# KiCad board ISA_PC104 Backplane.kicad_pcb (continued)
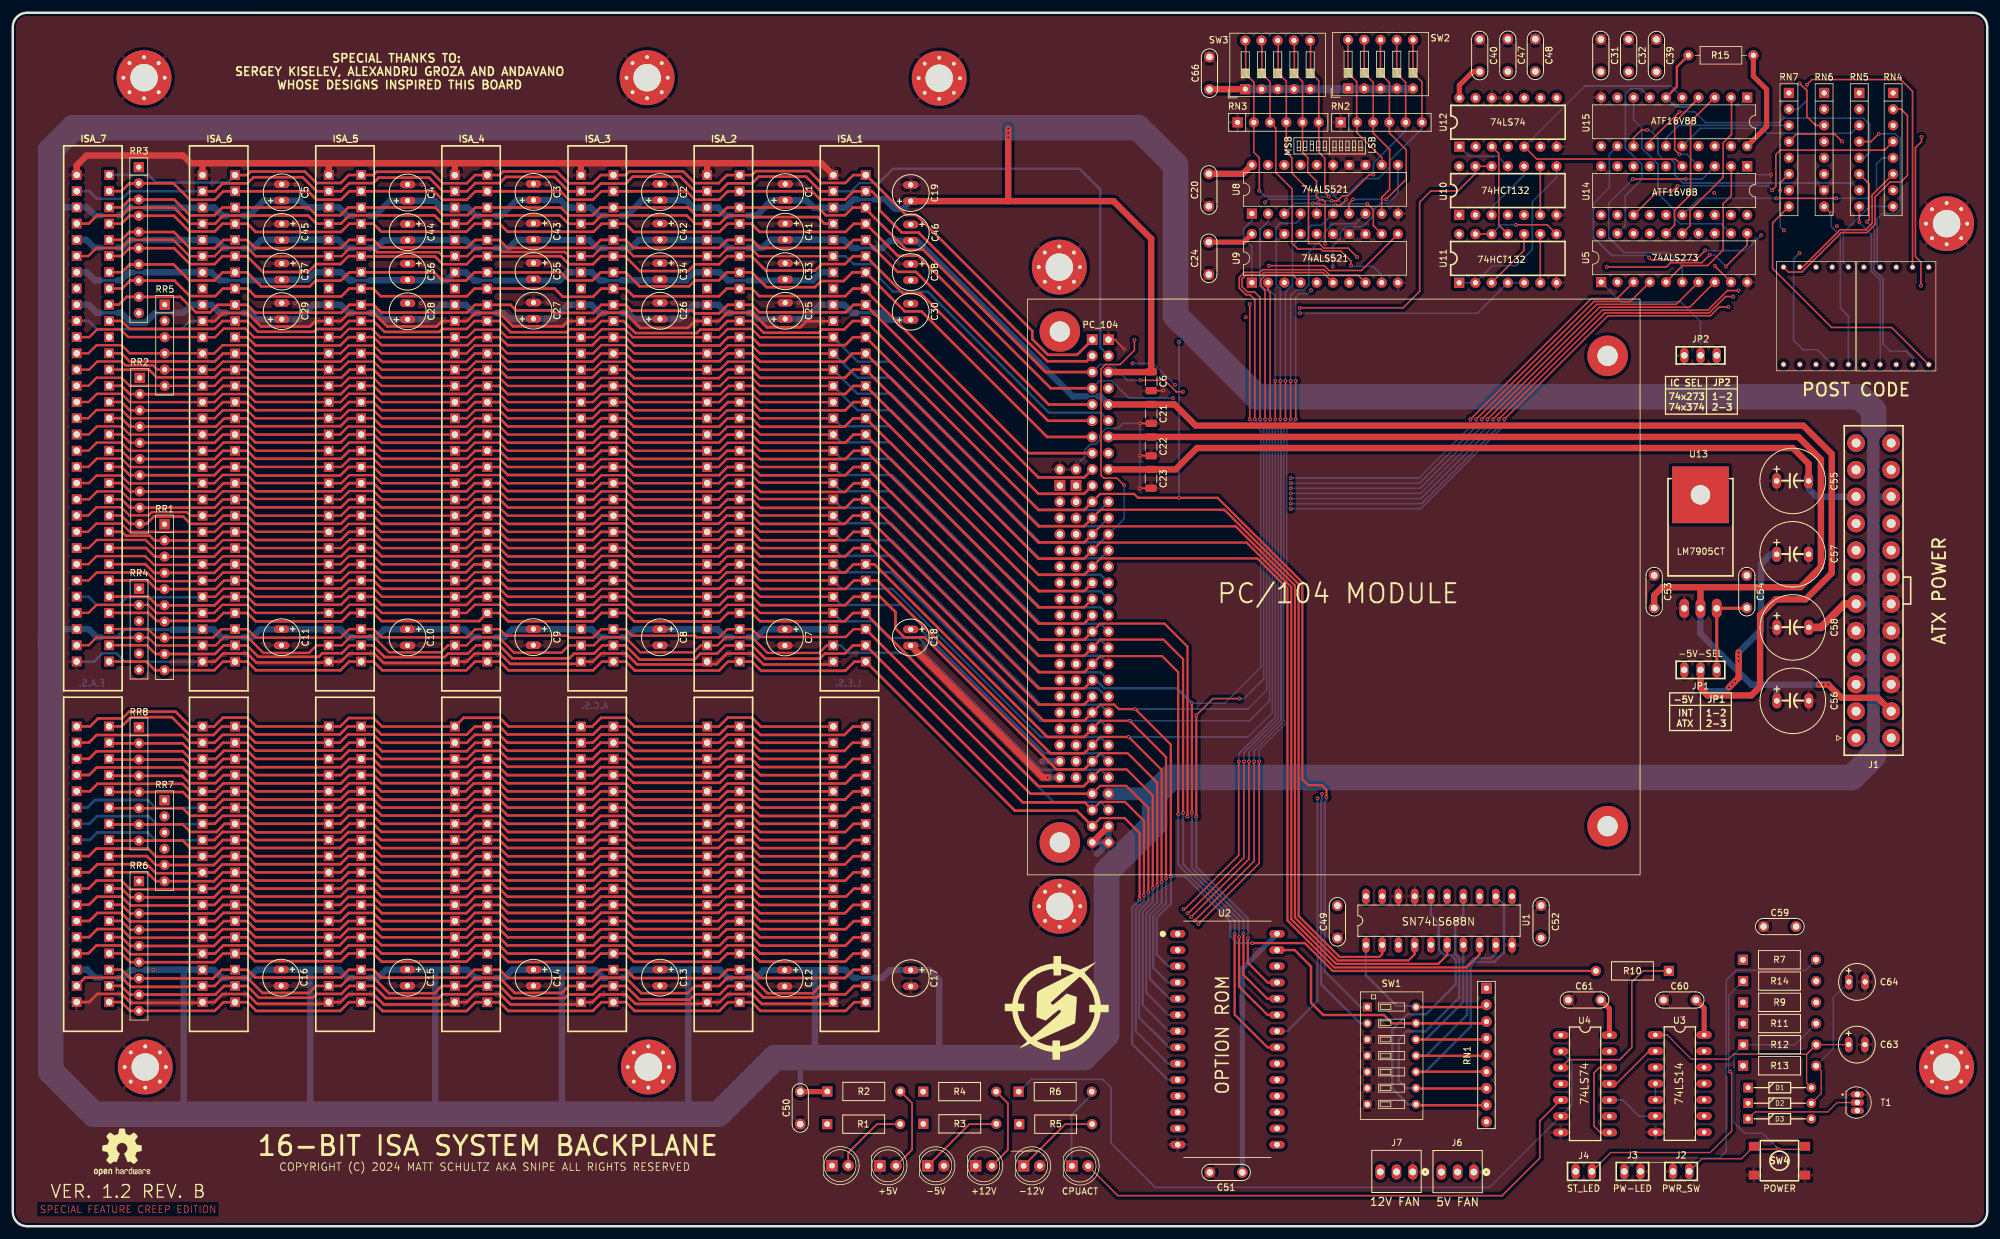
[diagram p0: board, top side]
## Routing (per net, layer and track width the routed paths; a pad name or vN(x,y) marks a point on that pad's centre or on a via; arc(x,y) is an arc through that point) (continued)
  In1.Cu w0.35: PC_104.A7 170.24,122.33 181.37,122.33 187.66,116.04 187.66,19.14 183.83,15.31 U2.13
  In2.Cu w0.25: PC_104.A7 170.13,122.44 191.75,122.44 193.92,120.26 199.74,120.26 201.1,118.9 201.1,116.56 200.11,115.57 v1(200.02,115.57)
  Bottom w0.25: v1(229.92,126.38) 229.92,125.23 220.25,115.57 v1(200.02,115.57)
/DB3: length 429.5
  Top w0.25: U5.8 262.45,143.93 248.35,143.93 v1(230.8,126.38)
  Top w0.42: ISA_5.37 52.55,151.93 51.31,150.69 47.47,150.69 46.22,149.44 39.14,149.44 36.66,151.92 ISA_6.37 32.82,151.92 31.57,150.67 27.75,150.67 25.25,153.17 18.23,153.17 17,151.94 ISA_7.37 ; PC_104.A6 162.02,126.15 142.04,146.13 139.29,146.13 ISA_1.37 131.5,151.92 130.26,150.68 126.6,150.68 125.58,149.66 117.87,149.66 115.61,151.92 ISA_2.37 111.82,151.92 110.55,150.65 106.77,150.65 105.71,149.59 98.16,149.59 95.83,151.92 ISA_3.37 92.07,151.92 90.81,150.66 87.04,150.66 85.78,151.92 ISA_4.37 72.31,151.92 71.04,150.65 67.31,150.65 66.09,151.87 54.59,151.87
  In1.Cu w0.35: PC_104.A6 170.23,124.88 179.64,124.88 188.24,116.28 188.24,19.15 194.61,12.77 U2.15
  In2.Cu w0.25: PC_104.A6 170.13,127.33 187.49,127.33 194.11,120.71 199.92,120.71 201.55,119.08 201.55,116.21 200.11,114.77 v1(200.02,114.77)
  Bottom w0.25: v1(230.8,126.38) 230.8,125.23 220.34,114.77 v1(200.02,114.77)
/DB4: length 420.2
  Top w0.42: PC_104.A5 162.13,128.69 141.36,149.46 138.5,149.46 ISA_1.36 131.58,154.46 130.33,153.21 116.95,153.21 115.7,154.46 ISA_2.36 111.82,154.46 110.58,153.22 97.17,153.22 95.93,154.46 ISA_3.36 92.02,154.46 90.77,153.21 77.4,153.21 76.15,154.46 ISA_4.36 72.34,154.46 71.16,153.28 57.65,153.28 56.46,154.47 ISA_5.36 52.65,154.47 51.37,153.19 37.96,153.19 36.69,154.46 ISA_6.36 32.95,154.46 31.66,153.17 27.75,153.17 25.21,155.71 18.26,155.71 17.03,154.48 ISA_7.36
  In1.Cu w0.25: U5.13 269.25,152.61 269.25,149.78 267.8,148.33 267.8,147.08 264.65,143.93 262.4,143.93 260.82,142.36 v1(192.97,142.36)
  In1.Cu w0.35: U2.16 194.67,15.31 188.81,21.17 188.81,116.52 177.9,127.43 170.22,127.43 PC_104.A5
  In2.Cu w0.25: v1(192.97,142.36) 188.52,142.36 176.23,130.06 170.32,130.06 PC_104.A5
/DB5: length 443.2
  Top w0.25: v1(231.69,126.38) 248.79,143.48 265.32,143.48 268.37,146.53 v1(270.1,146.53)
  Top w0.42: ISA_7.35 17.02,157.02 18.25,158.25 25.22,158.25 27.69,155.78 31.59,155.78 32.81,157 ISA_6.35 36.74,157 38.02,155.72 51.38,155.72 52.67,157.01 ISA_5.35 56.43,157.01 57.68,155.76 71.03,155.76 72.27,157 ISA_4.35 76.2,157 77.45,155.75 90.91,155.75 92.16,157 ISA_3.35 95.91,157 97.19,155.72 110.59,155.72 111.87,157 ISA_2.35 115.61,157 116.88,155.73 130.36,155.73 131.63,157 ISA_1.35 138.52,151.98 141.71,151.98 162.46,131.23 PC_104.A4
  In1.Cu w0.35: PC_104.A4 170.21,129.98 176.17,129.98 189.39,116.76 189.39,23.14 194.68,17.85 U2.17
  In2.Cu w0.25: v1(270.1,146.53) 270.1,146.83 270.11,146.84 270.11,149.88 264.5,155.48 ; v1(181.6,129.7) 185.76,129.7 194.3,121.16 200.11,121.16 202,119.27 202,115.86 200.11,113.97 v1(200.02,113.97)
  Bottom w0.25: v1(181.6,129.7) 174.7,129.7 171.99,132.41 170.13,132.41 PC_104.A4 ; v1(200.02,113.97) 220.42,113.97 231.69,125.23 v1(231.69,126.38)
/DB6: length 451.2
  Top w0.25: v1(232.57,126.38) 249.22,143.03 265.5,143.03 268.07,145.6 v1(269.28,145.6) ; v1(176.5,132.48) 180.3,132.48 182.1,130.68 v1(183.16,130.68)
  Top w0.42: PC_104.A3 161.65,133.77 142.49,152.93 139.89,152.93 133.5,159.32 ; ISA_7.34 17.05,159.56 18.28,160.79 25.26,160.79 27.74,158.31 31.58,158.31 32.81,159.54 ISA_6.34 46.31,159.54 47.52,158.33 51.28,158.33 52.5,159.55 ISA_5.34 66.1,159.55 67.29,158.36 71.23,158.36 72.41,159.54 ISA_4.34 85.78,159.54 87,158.32 90.75,158.32 91.97,159.54 ISA_3.34 105.7,159.54 106.91,158.33 110.62,158.33 111.83,159.54 ISA_2.34 126.05,159.54 127.26,158.33 130.26,158.33 131.47,159.54 ISA_1.34
  In1.Cu w0.35: U2.18 194.94,20.39 189.97,25.36 189.97,117 174.44,132.53 170.2,132.53 PC_104.A3
  In2.Cu w0.25: U5.17 256.22,153.36 259.66,149.92 266.01,149.92 267.6,148.33 267.6,147.28 v1(269.28,145.6) ; v1(183.16,130.68) 185.41,130.68 194.48,121.61 200.3,121.61 202.45,119.46 202.45,115.51 200.11,113.17 v1(200.02,113.17)
  Bottom w0.25: v1(232.57,126.38) 232.57,125.23 220.5,113.17 v1(200.02,113.17) ; PC_104.A3 170.13,134.95 171.99,134.95 174.45,132.48 v1(176.5,132.48)
/DB7: length 455.5
  Top w0.25: v1(233.46,126.39) 249.65,142.58 265.69,142.58 267.07,143.96 v1(268.52,143.96)
  Top w0.42: ISA_7.33 17.01,162.1 18.24,163.33 25.14,163.33 27.71,160.76 31.62,160.76 32.94,162.08 ISA_6.33 46.23,162.08 47.54,160.77 51.35,160.77 52.67,162.09 ISA_5.33 65.91,162.09 67.25,160.75 71.07,160.75 72.4,162.08 ISA_4.33 85.71,162.08 87.01,160.78 90.81,160.78 92.11,162.08 ISA_3.33 105.48,162.08 106.79,160.77 110.58,160.77 111.89,162.08 ISA_2.33 125.1,162.08 126.38,160.8 130.31,160.8 131.59,162.08 ISA_1.33 134.47,162.08 135.68,160.87 135.68,159.09 139.15,155.62 141.76,155.62 161.92,135.46 168.11,135.46 PC_104.A2
  In1.Cu w0.35: PC_104.A2 170.23,135.04 172.75,135.04 190.55,117.24 190.55,27.23 194.85,22.93 U2.19
  In2.Cu w0.25: v1(175.25,135.13) 170.14,135.13 PC_104.A2 ; v1(181.91,131.76) 184.97,131.76 194.67,122.06 200.48,122.06 202.9,119.64 202.9,115.16 200.11,112.37 v1(200.02,112.37) ; v1(268.52,143.96) 268.47,143.96 265.15,147.28 265.15,148.43 264.25,149.33 257.6,149.33 253.68,153.25 U5.18
  Bottom w0.25: v1(181.91,131.76) 178.53,135.13 v1(175.25,135.13) ; v1(233.46,126.39) 233.46,125.49 220.34,112.37 v1(200.02,112.37)
/Dig1_BCD_A: length 31.2
  Bottom w0.25: U5.12 267.42,156.98 260.98,156.98 260,157.97 260,159.23 257.5,161.73 257.5,166.31 255.78,168.03 255.75,168.03 254.95,168.84 254.95,172.03 253.68,173.3 253.68,176.61
/Dig1_BCD_B: length 24.4
  Top w0.25: U5.15 262.51,156.7 262.51,159.1 267.7,164.28 267.7,169.68 269.01,170.99 269.01,176.7
/Dig1_BCD_C: length 24.3
  Top w0.25: U5.16 260.1,156.82 260.1,159.08 262.6,161.58 262.6,173 266.3,176.7
/Dig1_BCD_D: length 29.2
  Bottom w0.25: U5.19 252.35,156.69 252.35,161.33 254.95,163.93 254.95,166.32 253.24,168.03 253.21,168.03 252.4,168.85 252.4,177.23 253.3,178.13 254.87,178.13 U15.7
/Dig1_Seg_A: length 30.3
  Top w0.25: v1(292.05,171.08) 290.83,169.86 RN5.4
  Bottom w0.25: LED8.7 291.79,150.67 291.79,157.75 292.62,158.58 294.77,158.58 295.43,159.24 295.43,170.33 294.67,171.08 v1(292.05,171.08)
/Dig1_Seg_A_Out: length 29.6
  Bottom w0.25: 261.39,169.25 264.1,171.95 273.83,171.95 274.6,171.18 287.78,171.18 RN5.3
/Dig1_Seg_B: length 30.4
  Top w0.25: v1(286.3,169.89) 285.16,171.03 279.17,171.03 RN7.4
  In1.Cu w0.25: LED8.6 289.72,155.05 287.02,157.75 287.02,169.17 v1(286.3,169.89)
/Dig1_Seg_B_Out: length 21.3
  Bottom w0.25: 258.76,169.17 258.76,170.39 260.77,172.4 RN7.3
/Dig1_Seg_C: length 35
  Top w0.25: v1(290.23,157.32) 290.57,157.66 290.57,163.21 RN5.6
  Bottom w0.25: LED8.4 297.34,136.02 296.31,137.05 293.82,137.05 292.73,138.15 292.73,148.37 291.34,149.76 291.34,156.21 v1(290.23,157.32)
/Dig1_Seg_C_Out: length 44.8
  Top w0.25: v1(260.86,174.52) 256.22,169.88 256.22,169.16
  Bottom w0.25: v1(260.86,174.52) 263.26,174.52 264.93,172.85 276.47,172.85 277.14,173.53 289.65,173.53 290.65,172.53 290.65,168.23 289.74,167.32 RN5.5
/Dig1_Seg_D: length 26.1
  Top w0.25: v1(289.02,157.23) 289,157.25 RN5.8
  Bottom w0.25: LED8.2 292.27,134.97 292.27,148.18 290.89,149.57 290.89,155.36 v1(289.02,157.23)
/Dig1_Seg_D_Out: length 43.6
  Top w0.25: v1(255.8,171.68) 254.9,171.68 253.68,170.46 253.68,169.16
  Bottom w0.25: v1(255.8,171.68) 256.2,171.68 257.5,170.38 257.5,167.93 258.3,167.13 259.5,167.13 260.1,166.53 260.1,164.67 261.39,163.38 287.86,163.38 RN5.7
/Dig1_Seg_DP: length 41.4
  Top w0.25: LED8.5 294.07,140.76 284.67,140.76 275.44,149.99 275.44,157.14 RN7.8
/Dig1_Seg_E: length 35.8
  Top w0.25: v1(276.62,162.23) 276.62,163.41 RN7.6
  In2.Cu w0.25: LED8.1 278.37,146.3 278.37,154.8 v1(277.22,155.96)
  Bottom w0.25: v1(277.22,155.96) 276.62,156.55 v1(276.62,162.23)
/Dig1_Seg_E_Out: length 64
  Top w0.25: v1(256.12,151.7) 256.46,151.36 263.43,151.36 v1(264.9,152.83)
  In1.Cu w0.25: RN7.5 279.46,167.32 280.16,166.62 280.16,157.86 277.51,155.2 v1(273.64,155.2)
  Bottom w0.25: v1(264.9,152.83) 264.95,152.78 271.22,152.78 v1(273.64,155.2) ; 251.14,169.16 249.9,167.92 249.9,162.68 247.4,160.18 247.4,154.88 250.25,152.03 255.78,152.03 v1(256.12,151.7)
/Dig1_Seg_F: length 32.5
  In1.Cu w0.2: LED8.10 299.88,152.72 297.55,155.05 297.55,171.91 295.74,173.72 290.22,173.72 RN5.2
/Dig1_Seg_F_Out: length 25.9
  In2.Cu w0.25: RN5.1 285.15,173.63 271.02,173.63 266.54,169.16
/Dig1_Seg_G: length 51
  Top w0.25: LED8.9 297.34,177.74 295.5,179.58 281.6,179.58 v1(280.8,178.78)
  Bottom w0.25: RN7.2 279.41,174.94 280.8,176.33 v1(280.8,178.78)
/Dig1_Seg_G_Out: length 17.4
  In2.Cu w0.25: 263.84,169.72 269.39,175.27 275.25,175.27 276.61,176.63 277.15,176.63 RN7.1
/Dig2_BCD_A: length 19.2
  In2.Cu w0.25: 253.73,166.01 252.45,164.72 252.45,149.17 U5.2
/Dig2_BCD_B: length 24.7
  Top w0.25: U5.5 261.36,150.46 265.27,150.46 267.7,152.88 267.7,160.13 268.97,161.41 268.97,166.01
/Dig2_BCD_C: length 40.3
  Top w0.25: v1(261.84,164.01) 253.57,164.01 v1(253.55,163.98)
  Bottom w0.25: v1(261.84,164.01) 264.43,164.01 266.43,166.01 ; U5.6 261.3,150.38 259.2,152.48 252.2,152.48 249.8,154.88 249.8,160.23 v1(253.55,163.98)
/Dig2_BCD_D: length 23.3
  Top w0.25: v1(266.41,150.41) 266.41,150.38 U5.9
  In2.Cu w0.25: 256.27,165.86 262.5,159.63 262.5,154.25 266.34,150.41 v1(266.41,150.41)
/Dig2_Seg_A: length 23.2
  Top w0.25: RN4.6 291.02,161.5 291.02,157.07 290.01,156.06 286,156.06 280.15,150.21 LED7.7
/Dig2_Seg_A_Out: length 39.1
  Top w0.25: v1(276,160.98) v1(285.4,160.98)
  Bottom w0.25: RN4.5 292.64,167.32 291.7,166.38 291.7,162.13 290.55,160.98 v1(285.4,160.98) ; 261.35,158.39 263.95,160.98 v1(276,160.98)
/Dig2_Seg_B: length 40.5
  Top w0.25: LED7.6 277.93,149.43 280.01,149.43 286.19,155.61 290.2,155.61 291.47,156.89 291.47,161.18 293.82,163.53 295.5,163.53 296.55,164.58 296.55,173.93 295.54,174.94 RN4.2
/Dig2_Seg_B_Out: length 47.7
  In1.Cu w0.25: v1(266.3,161.83) 262.26,161.83 258.81,158.39
  In2.Cu w0.25: v1(266.3,161.83) 273.15,161.83 274.5,163.18 274.5,169.23 276.45,171.18 289.37,171.18 290.12,171.94 290.12,173.31 RN4.1
/Dig2_Seg_C: length 45.8
  In1.Cu w0.25: RN6.2 280.61,172.06 280.61,157.67 279.66,156.72 v1(279.66,152.39)
  Bottom w0.25: LED7.4 282.49,137.25 280.22,137.25 278.72,138.75 278.72,151.45 v1(279.66,152.39)
/Dig2_Seg_C_Out: length 42.6
  In2.Cu w0.25: RN6.1 281.15,177.48 279.85,176.18 277.2,176.18 275.5,174.48 269.6,174.48 265.2,170.08 265.2,168.73 263.6,167.13 255.55,167.13 254.9,166.48 254.9,159.76 256.27,158.39
/Dig2_Seg_D: length 53.8
  Top w0.25: v1(298.75,170.58) 298.75,169.86 297.79,168.9 297.79,151.86 298.65,151 v1(298.65,147.3)
  In1.Cu w0.25: LED7.2 288.61,143.88 295.23,143.88 v1(298.65,147.3)
  In2.Cu w0.25: RN4.3 297.81,172.4 298.75,171.46 v1(298.75,170.58)
/Dig2_Seg_D_Out: length 48.8
  Top w0.25: v1(275.37,162.25) 275.95,162.83 275.95,167.83 276.65,168.53 292.97,168.53 RN4.4 ; 253.73,158.39 257.33,161.98 259.6,161.98 v1(260.55,162.93)
  Bottom w0.25: v1(260.55,162.93) 274.69,162.93 v1(275.37,162.25)
/Dig2_Seg_DP: length 26.3
  Top w0.25: RN6.8 284.61,158.59 v1(284.62,158.59)
  Bottom w0.25: v1(284.62,158.59) 284.62,156.53 286.03,155.12 286.03,143.8 287.31,142.52 LED7.5
/Dig2_Seg_E: length 38.2
  In1.Cu w0.25: LED7.1 281.06,138.88 281.06,168.65 282.28,169.86 RN6.4
/Dig2_Seg_E_Out: length 58.8
  Top w0.25: RN6.3 282.18,172.4 280.8,173.78 280.8,177.83 v1(279.65,178.98)
  In2.Cu w0.25: 251.14,158.39 249.9,159.62 249.9,177.18 251.7,178.98 v1(279.65,178.98)
/Dig2_Seg_F: length 15.2
  Bottom w0.25: RN4.8 290.6,159.7 286.48,155.58 286.48,151.04 LED7.10
/Dig2_Seg_F_Out: length 30.4
  In2.Cu w0.25: RN4.7 290.34,158.28 286.27,158.28 285.22,157.23 267.59,157.23 266.43,158.39
/Dig2_Seg_G: length 17.4
  In1.Cu w0.25: RN6.6 282.35,164.78 281.51,163.95 281.51,157.92 284.77,154.66 LED7.9
/Dig2_Seg_G_Out: length 35.9
  In1.Cu w0.25: RN6.5 285.49,167.32 286.57,166.23 286.57,157.71 v1(285.5,156.63)
  In2.Cu w0.25: 263.89,158.39 265.65,156.63 v1(285.5,156.63)
/DRQ0: length 181.9
  Top w0.42: ISA_7.71 11.9,57.96 13.08,59.14 21.14,59.14 22.4,57.88 29.6,57.88 ; ISA_6.71 31.58,57.94 32.86,59.22 36.72,59.22 37.99,57.95 ISA_5.71 51.36,57.95 52.6,59.19 56.46,59.19 57.71,57.94 ISA_4.71 71.06,57.94 72.35,59.23 76.2,59.23 77.49,57.94 ISA_3.71 90.78,57.94 92.02,59.18 95.93,59.18 97.17,57.94 ISA_2.71 110.51,57.94 111.78,59.21 115.68,59.21 116.95,57.94 ISA_1.71
  In2.Cu w0.42: ISA_1.71 132.21,61.73 135.35,61.73 149.34,75.72 149.34,86.32 158.69,95.67 PC_104.D9
/DRQ1: length 178.5
  Top w0.378: 29.69,121.43 18.3,121.43 17.01,122.72 13.13,122.72 11.87,121.46 ISA_7.18 ; ISA_1.18 116.94,121.44 115.69,122.69 111.87,122.69 110.62,121.44 ISA_2.18 97.23,121.44 95.95,122.72 92.04,122.72 90.76,121.44 ISA_3.18 77.48,121.44 76.21,122.71 72.31,122.71 71.04,121.44 ISA_4.18 57.76,121.44 56.46,122.74 52.65,122.74 51.36,121.45 ISA_5.18 38.01,121.45 36.72,122.74 32.98,122.74 31.68,121.44 ISA_6.18
  Bottom w0.378: PC_104.B18 170.24,96.93 160.75,96.93 137.5,120.18 129.68,120.18 ISA_1.18
/DRQ2: length 180.2
  Top w0.378: 49.42,151.9 38.03,151.9 36.7,153.23 32.9,153.23 31.59,151.92 ISA_6.6 27.67,151.92 25.11,154.48 18.3,154.48 17.01,153.19 13.08,153.19 11.83,151.94 ISA_7.6 ; ISA_1.6 116.75,151.92 115.46,153.21 111.93,153.21 110.64,151.92 ISA_2.6 97.16,151.92 95.9,153.18 92.07,153.18 90.81,151.92 ISA_3.6 87.07,151.92 86.41,152.58 76.63,152.58 76.04,153.17 72.37,153.17 71.12,151.92 ISA_4.6 67.3,151.92 66.69,152.53 57.04,152.53 56.41,153.16 52.73,153.16 51.5,151.93 ISA_5.6
  Bottom w0.378: ISA_1.6 130.36,151.92 131.6,150.68 134.62,150.68 135.64,149.66 135.64,148.52 137.8,146.36 143.22,146.36 162.15,127.43 170.22,127.43 PC_104.B6
/DRQ3: length 178.5
  Top w0.378: ISA_1.16 116.94,126.52 115.69,127.77 111.78,127.77 110.53,126.52 ISA_2.16 97.21,126.52 95.94,127.79 92.01,127.79 90.74,126.52 ISA_3.16 77.47,126.52 76.18,127.81 72.38,127.81 71.09,126.52 ISA_4.16 57.75,126.52 56.47,127.8 52.6,127.8 51.33,126.53 ISA_5.16 37.95,126.53 36.7,127.78 32.87,127.78 31.61,126.52 ISA_6.16 18.33,126.52 17.02,127.83 13.1,127.83 11.81,126.54 ISA_7.16
  Bottom w0.378: ISA_1.16 129.64,125.3 137.28,125.3 160.55,102.03 170.22,102.03 PC_104.B16
/DRQ5: length 182.1
  Top w0.42: ISA_1.73 116.95,52.86 115.7,54.11 111.73,54.11 110.48,52.86 ISA_2.73 97.2,52.86 95.93,54.13 92.14,54.13 90.87,52.86 ISA_3.73 77.46,52.86 76.2,54.12 72.4,54.12 71.14,52.86 ISA_4.73 57.7,52.86 56.45,54.11 52.55,54.11 51.31,52.87 ISA_5.73 37.97,52.87 36.7,54.14 32.84,54.14 31.56,52.86 ISA_6.73 ; 29.62,52.78 18.35,52.78 16.99,54.14 13.12,54.14 11.86,52.88 ISA_7.73
  In2.Cu w0.42: ISA_1.73 132.24,56.68 135.7,56.68 150.97,71.96 150.97,82.81 158.76,90.59 PC_104.D11
/DRQ6: length 182
  Top w0.42: ISA_7.75 11.99,47.8 13.25,49.06 16.97,49.06 18.3,47.73 29.65,47.73 ; ISA_6.75 31.66,47.78 32.95,49.07 36.7,49.07 37.98,47.79 ISA_5.75 51.31,47.79 52.57,49.05 56.44,49.05 57.71,47.78 ISA_4.75 71.05,47.78 72.34,49.07 76.19,49.07 77.48,47.78 ISA_3.75 90.8,47.78 92.11,49.09 95.96,49.09 97.27,47.78 ISA_2.75 110.44,47.78 111.73,49.07 115.7,49.07 116.99,47.78 ISA_1.75
  In2.Cu w0.42: 128.55,47.78 132.35,51.59 132.35,51.61 135.53,51.61 152.62,68.7 152.62,79.35 158.78,85.51 PC_104.D13
/DRQ7: length 182.2
  Top w0.42: 29.58,42.58 18.42,42.58 17.03,43.97 13.1,43.97 11.85,42.72 ISA_7.77 ; ISA_6.77 31.66,42.7 32.94,43.98 36.68,43.98 37.95,42.71 ISA_5.77 51.29,42.71 52.56,43.98 56.46,43.98 57.74,42.7 ISA_4.77 71.16,42.7 72.44,43.98 76.18,43.98 77.46,42.7 ISA_3.77 90.84,42.7 92.1,43.96 95.98,43.96 97.24,42.7 ISA_2.77 110.59,42.7 111.87,43.98 115.73,43.98 117.01,42.7 ISA_1.77
  In2.Cu w0.42: ISA_1.77 132.2,46.48 135.7,46.48 154.25,65.04 154.25,76.04 158.65,80.43 PC_104.D15
/IO: length 175.8
  Top w0.42: 133.56,164.62 139.79,158.39 141.4,158.39 159.58,140.21 159.58,138.91 162.01,136.48 166.59,136.48 PC_104.A1 ; ISA_1.32 131.55,164.62 130.32,163.39 126.51,163.39 124.66,165.24 116.32,165.24 115.7,164.62 ISA_2.32 111.76,164.62 110.5,163.36 106.77,163.36 104.94,165.19 96.5,165.19 95.93,164.62 ISA_3.32 92.04,164.62 90.76,163.34 86.99,163.34 85.14,165.19 76.77,165.19 76.2,164.62 ISA_4.32 72.34,164.62 71.06,163.34 67.29,163.34 65.49,165.14 56.96,165.14 56.45,164.63 ISA_5.32 52.59,164.63 51.34,163.38 47.51,163.38 45.71,165.18 37.23,165.18 36.67,164.62 ISA_6.32
  Bottom w0.42: ISA_6.32 33.61,163.45 22.43,163.45 21.24,164.64 ISA_7.32
/IO_READY: length 174
  Top w0.42: PC_104.A10 167.68,114.71 160.55,114.71 ISA_1.41 131.45,141.76 130.12,140.43 126.65,140.43 126.15,139.93 117.52,139.93 115.69,141.76 ISA_2.41 111.86,141.76 110.53,140.43 107.6,140.43 107.05,139.88 97.45,139.88 95.57,141.76 ISA_3.41 92.13,141.76 90.85,140.48 87.13,140.48 86.66,140.01 77.93,140.01 76.18,141.76 ISA_4.41 72.29,141.76 71.04,140.51 67.21,140.51 66.76,140.06 58.18,140.06 56.47,141.77 ISA_5.41 52.63,141.77 51.37,140.51 47.54,140.51 47.12,140.09 38.36,140.09 36.69,141.76 ISA_6.41 32.83,141.76 31.6,140.53 18.27,140.53 17.02,141.78 ISA_7.41
/IRQ2: length 125.9
  Top w0.42: ISA_1.4 127.04,157 125.99,158.05 115.91,158.05 115.67,158.29 111.95,158.29 110.66,157 ISA_2.4 106.79,157 105.48,158.31 92.15,158.31 90.84,157 ISA_3.4 86.97,157 85.66,158.31 72.4,158.31 71.09,157 ISA_4.4 67.32,157 66.01,158.31 52.67,158.31 51.37,157.01 ISA_5.4 47.5,157.01 46.22,158.29 32.95,158.29 31.66,157 ISA_6.4 27.75,157 25.24,159.51 18.25,159.51 17.04,158.3 13.18,158.3 11.9,157.02 ISA_7.4
/IRQ3: length 178.5
  Top w0.378: ISA_6.25 31.62,103.66 32.88,104.92 36.71,104.92 37.96,103.67 ISA_5.25 51.33,103.67 52.6,104.94 56.48,104.94 57.76,103.66 ISA_4.25 71.04,103.66 72.35,104.97 76.2,104.97 77.51,103.66 ISA_3.25 90.85,103.66 92.16,104.97 95.96,104.97 97.27,103.66 ISA_2.25 110.55,103.66 111.8,104.91 115.66,104.91 116.91,103.66 ISA_1.25 ; ISA_7.25 11.84,103.68 13.1,104.94 20.74,104.94 22.1,103.58 29.62,103.58
  Bottom w0.378: PC_104.B25 170.21,79.18 160.8,79.18 137.58,102.41 129.68,102.41 ISA_1.25
/IRQ4: length 178.5
  Top w0.378: ISA_7.24 11.89,106.22 13.15,107.48 20.8,107.48 22.08,106.2 ISA_6.24 31.63,106.2 32.88,107.45 36.69,107.45 37.93,106.21 ISA_5.24 51.39,106.21 52.7,107.52 56.46,107.52 57.78,106.2 ISA_4.24 71.01,106.2 72.3,107.49 76.24,107.49 77.53,106.2 ISA_3.24 90.93,106.2 92.2,107.47 95.96,107.47 97.23,106.2 ISA_2.24 110.48,106.2 111.78,107.5 115.63,107.5 116.93,106.2 ISA_1.24
  Bottom w0.378: ISA_1.24 129.64,104.98 137.6,104.98 160.9,81.68 170.25,81.68 PC_104.B24
/IRQ5: length 178.2
  Top w0.378: 128.39,108.77 116.99,108.77 115.68,110.08 111.79,110.08 110.45,108.74 ISA_2.23 97.22,108.74 95.9,110.06 92.13,110.06 90.81,108.74 ISA_3.23 77.48,108.74 76.23,109.99 72.32,109.99 71.07,108.74 ISA_4.23 57.69,108.74 56.43,110 52.59,110 51.34,108.75 ISA_5.23 38,108.75 36.72,110.03 32.91,110.03 31.62,108.74 ISA_6.23 18.32,108.74 17.02,110.04 13.08,110.04 11.8,108.76 ISA_7.23
  Bottom w0.378: ISA_1.23 129.73,107.43 137.59,107.43 160.79,84.23 169.87,84.23 171.13,82.97
/IRQ6: length 178.9
  Top w0.378: 128.39,111.31 116.88,111.31 115.66,112.53 111.75,112.53 110.5,111.28 ISA_2.22 97.19,111.28 95.92,112.55 92.13,112.55 90.86,111.28 ISA_3.22 77.48,111.28 76.19,112.57 72.35,112.57 71.06,111.28 ISA_4.22 57.72,111.28 56.42,112.58 52.68,112.58 51.39,111.29 ISA_5.22 37.96,111.29 36.7,112.55 32.88,112.55 31.61,111.28 ISA_6.22 27.8,111.28 27.25,111.83 21.75,111.83 21.25,111.33 18.26,111.33 16.99,112.6 13.11,112.6 11.81,111.3 ISA_7.22
  Bottom w0.378: PC_104.B22 170.23,86.78 160.8,86.78 137.51,110.07 129.63,110.07 ISA_1.22
/IRQ7: length 178
  Top w0.378: ISA_6.21 31.59,113.82 32.85,115.08 36.71,115.08 37.89,113.9 49.38,113.9 ; 29.48,113.82 18.26,113.82 17,115.08 13.19,115.08 11.95,113.84 ISA_7.21 ; ISA_5.21 51.35,113.83 52.65,115.13 56.47,115.13 57.78,113.82 ISA_4.21 71.13,113.82 72.4,115.09 76.2,115.09 77.47,113.82 ISA_3.21 90.87,113.82 92.13,115.08 95.91,115.08 97.17,113.82 ISA_2.21 110.49,113.82 111.73,115.06 115.63,115.06 116.81,113.88 128.36,113.88
  Bottom w0.378: PC_104.B21 170.22,89.33 160.75,89.33 137.55,112.53 129.71,112.53 ISA_1.21
/IRQ10: length 182.1
  Top w0.42: ISA_1.65 116.92,73.18 115.66,74.44 111.78,74.44 110.52,73.18 ISA_2.65 97.19,73.18 95.92,74.45 92.03,74.45 90.76,73.18 ISA_3.65 77.47,73.18 76.19,74.46 72.39,74.46 71.11,73.18 ISA_4.65 57.72,73.18 56.42,74.48 52.61,74.48 51.32,73.19 ISA_5.65 38,73.19 36.72,74.47 33.05,74.47 31.76,73.18 ISA_6.65 27.8,73.18 26.6,74.38 13.1,74.38 11.92,73.2 ISA_7.65
  In2.Cu w0.42: ISA_1.65 132.22,76.98 135.6,76.98 144.41,85.8 144.41,96.65 158.68,110.91 PC_104.D3
/IRQ11: length 182
  Top w0.42: ISA_7.66 11.95,70.66 13.14,71.85 26.58,71.85 27.16,71.27 27.16,71.27 27.79,70.64 ISA_6.66 31.55,70.64 32.81,71.9 36.71,71.9 37.96,70.65 ISA_5.66 51.32,70.65 52.59,71.92 56.43,71.92 57.71,70.64 ISA_4.66 71.11,70.64 72.35,71.88 76.17,71.88 77.41,70.64 ISA_3.66 90.82,70.64 92.07,71.89 95.94,71.89 97.19,70.64 ISA_2.66 110.54,70.64 111.86,71.96 115.71,71.96 117.03,70.64 ISA_1.66
  In2.Cu w0.42: ISA_1.66 132.26,74.48 135.5,74.48 145.24,84.22 145.24,94.82 158.79,108.37 PC_104.D4
/IRQ12: length 182.1
  Top w0.42: ISA_1.67 116.9,68.1 115.66,69.34 111.82,69.34 110.58,68.1 ISA_2.67 97.16,68.1 95.94,69.32 91.98,69.32 90.76,68.1 ISA_3.67 77.44,68.1 76.19,69.35 72.14,69.35 70.89,68.1 ISA_4.67 57.71,68.1 56.44,69.37 52.62,69.37 51.36,68.11 ISA_5.67 37.97,68.11 36.72,69.36 32.95,69.36 31.69,68.1 ISA_6.67 27.78,68.1 26.59,69.29 13.26,69.29 12.09,68.12 ISA_7.67
  In2.Cu w0.42: ISA_1.67 132.27,71.95 135.77,71.95 146.06,82.24 146.06,93.29 158.6,105.83 PC_104.D5
/IRQ14: length 181.9
  Top w0.42: ISA_1.69 116.91,63.02 115.68,64.25 111.72,64.25 110.49,63.02 ISA_2.69 97.17,63.02 95.92,64.27 92,64.27 90.75,63.02 ISA_3.69 77.46,63.02 76.22,64.26 72.36,64.26 71.12,63.02 ISA_4.69 57.73,63.02 56.45,64.3 52.58,64.3 51.31,63.03 ISA_5.69 37.96,63.03 36.71,64.28 32.85,64.28 31.59,63.02 ISA_6.69
  In2.Cu w0.42: ISA_1.69 132.23,66.83 135.55,66.83 147.69,78.98 147.69,89.73 158.72,100.75 PC_104.D7
  Bottom w0.42: ISA_7.69 12.01,63.04 13.18,64.21 21.27,64.21 22.5,62.98 29.66,62.98
/IRQ15: length 182.1
  Top w0.42: ISA_6.68 31.66,65.56 32.92,66.82 36.7,66.82 37.95,65.57 ISA_5.68 51.25,65.57 52.53,66.85 56.44,66.85 57.73,65.56 ISA_4.68 70.99,65.56 72.23,66.8 76.22,66.8 77.46,65.56 ISA_3.68 90.71,65.56 91.98,66.83 95.92,66.83 97.19,65.56 ISA_2.68 110.6,65.56 111.85,66.81 115.73,66.81 116.98,65.56 ISA_1.68
  In2.Cu w0.42: ISA_1.68 132.25,69.39 135.74,69.39 146.88,80.52 146.88,91.41 158.76,103.29 PC_104.D6
  Bottom w0.42: ISA_7.68 11.7,65.58 12.87,66.75 21.13,66.75 22.36,65.52 29.66,65.52
/LA17: length 184.2
  Top w0.42: 15.2,60.38 26.63,60.38 27.78,59.23 31.62,59.23 32.87,60.48 ISA_6.88 36.72,60.48 37.97,59.23 51.24,59.23 52.5,60.49 ISA_5.88 56.46,60.49 57.74,59.21 71.08,59.21 72.35,60.48 ISA_4.88 76.19,60.48 77.44,59.23 90.69,59.23 91.94,60.48 ISA_3.88 95.93,60.48 97.18,59.23 110.46,59.23 111.71,60.48 ISA_2.88 115.65,60.48 116.92,59.21 130.3,59.21 131.57,60.48 ISA_1.88
  In1.Cu w0.42: ISA_1.88 141.33,60.48 148.19,67.34 148.19,86.43 158.71,96.95 165.16,96.95 PC_104.C8
/LA18: length 184.4
  Top w0.42: ISA_1.87 131.59,63.02 130.3,61.73 116.98,61.73 115.69,63.02 ISA_2.87 111.73,63.02 110.44,61.73 97.25,61.73 95.96,63.02 ISA_3.87 92.02,63.02 90.73,61.74 77.54,61.74 76.25,63.02 ISA_4.87 72.25,63.02 71,61.76 57.7,61.76 56.43,63.03 ISA_5.87 52.67,63.03 51.33,61.69 38.03,61.69 36.7,63.02 ISA_6.87 33.13,63.02 31.86,61.75 27.78,61.75 26.61,62.92 15.2,62.92
  In1.Cu w0.42: PC_104.C7 165.16,99.49 158.79,99.49 147.37,88.07 147.37,69.06 141.33,63.02 ISA_1.87
/LA19: length 184.2
  Top w0.42: ISA_1.86 131.58,65.56 130.27,64.25 116.98,64.25 115.67,65.56 ISA_2.86 111.76,65.56 110.51,64.31 97.19,64.31 95.94,65.56 ISA_3.86 91.9,65.56 90.67,64.33 77.45,64.33 76.22,65.56 ISA_4.86 72.17,65.56 70.92,64.31 57.73,64.31 56.47,65.57 ISA_5.86 52.51,65.57 51.24,64.3 37.95,64.3 36.69,65.56 ISA_6.86 32.9,65.56 31.63,64.29 27.79,64.29 26.62,65.46 15.2,65.46
  In1.Cu w0.42: ISA_1.86 141.33,65.56 146.55,70.78 146.55,89.75 158.83,102.03 165.16,102.03 PC_104.C6
/LA20: length 184.3
  Top w0.42: 15.2,68 26.63,68 27.78,66.85 31.69,66.85 32.94,68.1 ISA_6.85 36.72,68.1 37.99,66.83 51.31,66.83 52.59,68.11 ISA_5.85 56.46,68.11 57.77,66.8 71,66.8 72.3,68.1 ISA_4.85 76.21,68.1 77.45,66.86 90.8,66.86 92.04,68.1 ISA_3.85 95.91,68.1 97.19,66.82 110.53,66.82 111.81,68.1 ISA_2.85 115.62,68.1 116.9,66.82 130.26,66.82 131.54,68.1 ISA_1.85
  In1.Cu w0.42: ISA_1.85 141.34,68.1 145.73,72.49 145.73,91.54 158.76,104.57 165.16,104.57 PC_104.C5
/LA21: length 184.3
  Top w0.42: 15.2,70.54 26.49,70.54 27.65,69.38 31.7,69.38 32.96,70.64 ISA_6.84 36.73,70.64 38.02,69.35 51.35,69.35 52.65,70.65 ISA_5.84 56.44,70.65 57.71,69.38 71.11,69.38 72.37,70.64 ISA_4.84 76.18,70.64 77.45,69.37 90.8,69.37 92.07,70.64 ISA_3.84 95.95,70.64 97.14,69.45 110.66,69.45 111.85,70.64 ISA_2.84 115.67,70.64 116.98,69.33 130.33,69.33 131.64,70.64 ISA_1.84
  In1.Cu w0.42: PC_104.C4 165.15,107.1 158.75,107.1 144.91,93.26 144.91,74.21 141.34,70.64 ISA_1.84
